# Altium PCB pcb-4layer-1oz-1.6mm.PcbDoc (part 4 of 4)
Units mm, origin at the board's own origin, x right, y up, seen from the top; angles counter-clockwise.
Board outline 208.5 x 86.9 mm, 4 copper layers (Top Layer, MID1, MID2, Bottom Layer), stack 1.579 mm thick; 542 components, 426 nets, 1550 pads, 470 vias.
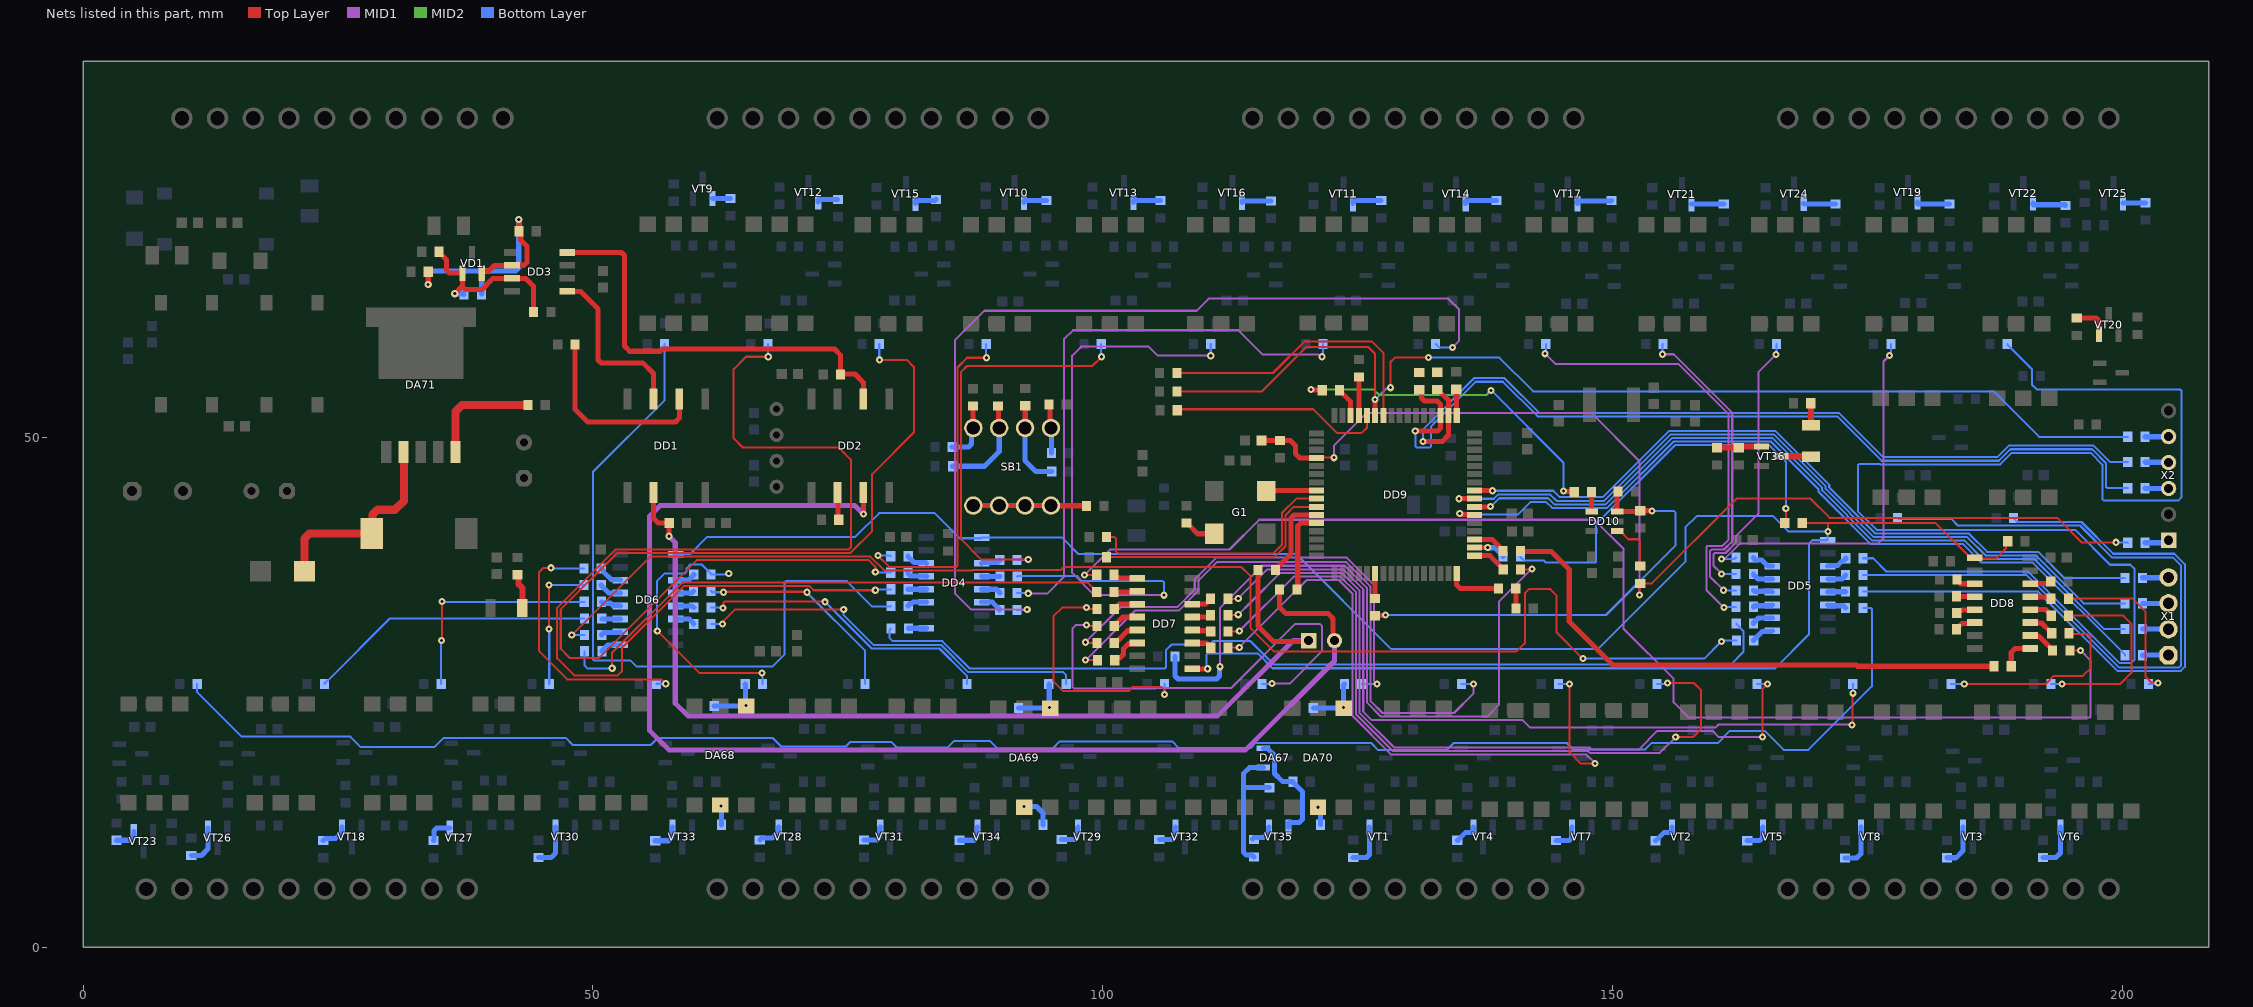
[diagram p6: the nets of this part, all layers, seen from the top]

## Via types
v1: diameter 0.7, hole 0.3, Top Layer to Bottom Layer, tented both sides, 437 vias
v2: diameter 0.65, hole 0.3, Top Layer to Bottom Layer, tented both sides, 21 vias
v3: diameter 0.65, hole 0.3, Top Layer to Bottom Layer, 12 vias

## Nets (pads, with @x,y where several pads share a name; then routed paths per layer and width w, separated by ;. In a path a pad name is that pad's centre, name@x,y a point inside that pad or via, vN(x,y) a via of type N, cw(c..) or ccw(c..) an arc to the next point about the centre after c; other vN are vias at no path point) (continued)
NetDA67_1: DA67.1 R195.1 R198.1 | length 13.7
  Bottom Layer w0.5: 113.8,15.637 R195.1@116.362,15.637 ; R198.1@114.833,8.838 114.633,9.038 114.093,9.038 113.8,9.331 113.8,15.2 113.8,15.4 113.8,17 114.4,17.6 115.754,17.6 DA67.1@115.769,17.614
NetDA67_2: DA67.2 R204.2 VT35.2 | length 11.3
  Bottom Layer w0.5: DA67.2@115.769,19.494 115.798,19.465 116.203,19.465 116.854,18.813 116.854,17.03 117.659,16.225 R204.2@118.664,16.225 118.664,16.175 119.6,15.239 119.6,12.529 119.307,12.237 118.268,12.237 118.218,12.187 VT35.2@118.218,11.753
NetDA68_2: DA68.2 R199.1 | length 1.9
  Bottom Layer w0.5: v1(62.561,13.854) 62.604,13.811 R199.1@62.604,12.003
NetDA68_4: DA68.4 R205.1 R208.1 | length 5.2
  Bottom Layer w0.5: R205.1@61.906,23.653 64.953,23.653 v1(65,23.7) 64.972,23.728 64.972,25.778 R208.1@64.944,25.806
NetDA69_2: DA69.2 R200.1 | length 3.3
  Bottom Layer w0.5: v1(92.3,13.8) 93.5,13.8 94.14,13.16 R200.1@94.14,12.003
NetDA69_4: DA69.4 R207.1 R209.1 | length 5.4
  Bottom Layer w0.5: R207.1@91.732,23.438 94.738,23.438 v1(94.8,23.5) 94.762,23.538 94.762,25.764 R209.1@94.72,25.806
NetDA70_2: DA70.2 R201.1 | length 1.8
  Bottom Layer w0.5: v1(121.12,13.715) 121.12,13.661 121.345,13.435 R201.1@121.345,12.017
NetDA70_4: DA70.4 R206.1 R210.1 | length 5.3
  Bottom Layer w0.5: R206.1@120.661,23.438 123.538,23.438 v1(123.6,23.5) 123.638,23.538 123.638,25.732 R210.1@123.713,25.806
NetDA71_2: DA71.2 L7.2 VD4.1 | length 20.3
  Top Layer w0.8: VD4.1@21.726,36.87 21.726,40.09 22.195,40.559 L7.2@28.298,40.559 28.4,40.661 28.4,42.431 28.869,42.9 30.6,42.9 31.461,43.761 DA71.2@31.461,48.526
NetDA71_5: DA71.5 R320.1 | length 11.3
  Top Layer w0.8: DA71.5@36.526,48.561 36.526,52.526 37.176,53.176 R320.1@43.633,53.176
NetDD1_2: DD1.2 R213.1 | length 19.1
  Top Layer w0.5: R213.1@48.256,59.099 48.256,52.744 49.5,51.5 58.1,51.5 58.482,51.882 DD1.2@58.482,53.748
NetDD1_3: DD1.3 DD3.1 | length 17.2
  Top Layer w0.5: DD3.1@47.489,64.316 48.784,64.316 50.5,62.6 50.5,57.593 50.793,57.3 54.9,57.3 55.942,56.258 DD1.3@55.942,53.748
NetDD2_2: DD2.2 R212.1 | length 2.7
  Top Layer w0.5: DD2.2@73.988,44.598 74.05,44.537 74.05,41.979 R212.1@74.111,41.918
NetDD2_6: DD2.6 DD3.4 R214.1 | length 42.4
  Top Layer w0.5: DD3.4@47.489,68.126 52.807,68.126 53.1,67.834 53.1,58.943 53.606,58.437 56.571,58.437 56.785,58.65 73.692,58.65 74.3,58.043 R214.1@74.3,56.145 ; R214.1@74.355,56.2 75.7,56.2 76.528,55.372 DD2.6@76.528,53.748
NetDD4_3: DD4.3 R231.1 | length 1.9
  Bottom Layer w0.5: DD4.3@88.133,37.637 88.197,37.701 89.705,37.701 89.907,37.904 R231.1@89.907,37.954
NetDD4_4: DD4.4 R224.1 | length 1.8
  Bottom Layer w0.5: DD4.4@88.133,36.367 88.147,36.353 89.901,36.353 R224.1@89.915,36.339
NetDD4_5: DD4.5 R232.1 | length 2
  Bottom Layer w0.5: DD4.5@88.133,35.097 89.575,35.097 89.905,34.767 R232.1@89.905,34.717
NetDD4_6: DD4.6 R225.1 | length 2.1
  Bottom Layer w0.5: DD4.6@88.133,33.827 89.179,33.827 89.901,33.105 R225.1@89.901,33.055
NetDD4_9: DD4.9 R226.1 | length 1.8
  Bottom Layer w0.5: R226.1@80.944,31.256 80.959,31.272 82.693,31.272 DD4.9@82.709,31.287
NetDD4_11: DD4.11 R229.1 | length 2
  Bottom Layer w0.5: R229.1@80.928,33.446 80.928,33.496 81.128,33.696 81.275,33.696 81.42,33.842 DD4.11@82.694,33.842
NetDD4_12: DD4.12 R223.1 | length 1.8
  Bottom Layer w0.5: R223.1@80.933,35.09 80.937,35.094 82.705,35.094 DD4.12@82.709,35.097
NetDD4_13: DD4.13 R230.1 | length 2
  Bottom Layer w0.5: R230.1@80.914,36.717 80.914,36.667 81.173,36.408 82.668,36.408 DD4.13@82.709,36.367
NetDD4_14: DD4.14 R227.1 | length 2.1
  Bottom Layer w0.5: R227.1@80.923,38.339 80.923,38.289 81.5,37.712 82.634,37.712 DD4.14@82.709,37.637
NetDD5_3: DD5.3 R242.1 | length 2.1
  Bottom Layer w0.5: DD5.3@171.106,37.364 171.181,37.439 172.107,37.439 172.555,37.886 172.675,37.886 172.875,38.086 R242.1@172.875,38.136
NetDD5_4: DD5.4 R237.1 | length 1.9
  Bottom Layer w0.5: DD5.4@171.125,36.113 172.526,36.113 172.865,36.452 R237.1@172.865,36.502
NetDD5_5: DD5.5 R243.1 | length 1.8
  Bottom Layer w0.5: DD5.5@171.106,34.824 171.133,34.851 172.844,34.851 R243.1@172.87,34.877
NetDD5_6: DD5.6 R238.1 | length 1.9
  Bottom Layer w0.5: DD5.6@171.106,33.554 171.181,33.479 172.67,33.479 172.87,33.279 R238.1@172.87,33.267
NetDD5_9: DD5.9 R239.1 | length 2.3
  Bottom Layer w0.5: R239.1@163.849,30.062 163.849,30.112 164.676,30.939 165.607,30.939 DD5.9@165.682,31.014
NetDD5_10: DD5.10 R234.1 | length 2.1
  Bottom Layer w0.5: R234.1@163.843,31.747 163.843,31.797 164.331,32.284 DD5.10@165.682,32.284
NetDD5_11: DD5.11 R244.1 | length 1.9
  Bottom Layer w0.5: R244.1@163.822,33.372 163.929,33.479 165.607,33.479 DD5.11@165.682,33.554
NetDD5_12: DD5.12 R235.1 | length 1.9
  Bottom Layer w0.5: R235.1@163.826,34.986 163.914,34.899 165.607,34.899 DD5.12@165.682,34.824
NetDD5_13: DD5.13 R241.1 | length 2.1
  Bottom Layer w0.5: R241.1@163.83,36.597 163.83,36.547 164.283,36.094 DD5.13@165.682,36.094
NetDD5_14: DD5.14 R236.1 | length 2.2
  Bottom Layer w0.5: R236.1@163.814,38.213 163.814,38.163 164.014,37.963 164.645,37.963 165.245,37.364 DD5.14@165.682,37.364
NetDD6_3: DD6.3 R254.1 | length 2
  Bottom Layer w0.5: DD6.3@58.114,35.993 59.399,35.993 59.897,36.491 R254.1@59.897,36.541
NetDD6_4: DD6.4 R249.1 | length 1.9
  Bottom Layer w0.5: DD6.4@58.114,34.723 59.683,34.723 R249.1@59.882,34.923
NetDD6_5: DD6.5 R255.1 | length 1.8
  Bottom Layer w0.5: DD6.5@58.114,33.453 59.741,33.453 R255.1@59.896,33.299
NetDD6_6: DD6.6 R250.1 | length 2
  Bottom Layer w0.5: DD6.6@58.114,32.183 59.452,32.183 59.887,31.749 R250.1@59.887,31.699
NetDD6_9: DD6.9 R251.1 | length 2.1
  Bottom Layer w0.5: R251.1@50.884,29.008 50.884,29.058 51.469,29.643 DD6.9@52.69,29.643
NetDD6_10: DD6.10 R246.1 | length 2
  Bottom Layer w0.5: R246.1@50.872,30.62 50.872,30.664 51.072,30.864 52.641,30.864 DD6.10@52.69,30.913
NetDD6_11: DD6.11 R252.1 | length 1.8
  Bottom Layer w0.2: R252.1@50.868,32.235 R252.1@50.92,32.183
  Bottom Layer w0.5: R252.1@50.92,32.183 DD6.11@52.69,32.183
NetDD6_12: DD6.12 R247.1 | length 2
  Bottom Layer w0.5: R247.1@50.861,33.863 50.998,33.726 51.734,33.726 51.932,33.528 52.615,33.528 DD6.12@52.69,33.453
NetDD6_13: DD6.13 R253.1 | length 2.2
  Bottom Layer w0.5: R253.1@50.822,35.513 50.822,35.463 51.562,34.723 DD6.13@52.69,34.723
NetDD6_14: DD6.14 R248.1 | length 2.4
  Bottom Layer w0.5: R248.1@50.826,37.135 51.026,36.935 51.026,36.825 51.783,36.068 52.615,36.068 DD6.14@52.69,35.993
NetDD7_3: DD7.3 R264.1 | length 2
  Top Layer w0.5: DD7.3@108.805,29.83 110.182,29.83 110.598,29.414 R264.1@110.598,29.364
NetDD7_4: DD7.4 R259.1 | length 1.8
  Top Layer w0.5: DD7.4@108.805,31.1 108.874,31.031 110.528,31.031 R259.1@110.597,30.961
NetDD7_5: DD7.5 R265.1 | length 1.9
  Top Layer w0.5: DD7.5@108.805,32.37 110.403,32.37 R265.1@110.586,32.552
NetDD7_6: DD7.6 R260.1 | length 2
  Top Layer w0.5: DD7.6@108.805,33.64 110.11,33.64 110.58,34.11 R260.1@110.58,34.16
NetDD7_9: DD7.9 R261.1 | length 2.4
  Top Layer w0.5: R261.1@101.116,36.51 101.116,36.46 101.316,36.26 101.53,36.26 101.608,36.182 103.379,36.182 DD7.9@103.381,36.18
NetDD7_10: DD7.10 R256.1 | length 2.3
  Top Layer w0.5: R256.1@101.116,34.834 102.868,34.834 102.944,34.91 DD7.10@103.381,34.91
NetDD7_11: DD7.11 R262.1 | length 2.5
  Top Layer w0.5: R262.1@101.136,33.158 101.136,33.208 101.336,33.408 101.398,33.408 101.629,33.64 DD7.11@103.381,33.64
NetDD7_12: DD7.12 R257.1 | length 2.6
  Top Layer w0.5: R257.1@101.136,31.503 101.136,31.553 101.933,32.349 DD7.12@103.361,32.349
NetDD7_13: DD7.13 R263.1 | length 2.8
  Top Layer w0.5: R263.1@101.138,29.827 101.138,29.877 101.338,30.077 101.492,30.077 102.44,31.025 103.306,31.025 DD7.13@103.381,31.1
NetDD7_14: DD7.14 R258.1 | length 3.3
  Top Layer w0.5: R258.1@101.188,28.125 101.188,28.175 101.388,28.375 101.714,28.375 102.038,28.699 102.038,29.265 102.528,29.755 103.306,29.755 DD7.14@103.381,29.83
NetDD8_3: DD8.3 R273.1 | length 2
  Top Layer w0.5: R273.1@183.779,36.041 183.779,35.991 184.132,35.638 DD8.3@185.548,35.638
NetDD8_4: DD8.4 R267.1 | length 1.8
  Top Layer w0.5: R267.1@183.745,34.406 183.763,34.388 185.532,34.388 DD8.4@185.55,34.37
NetDD8_5: DD8.5 R274.1 | length 2
  Top Layer w0.5: R274.1@183.759,32.778 183.759,32.828 183.959,33.028 184.233,33.028 184.252,33.047 185.497,33.047 DD8.5@185.55,33.1
NetDD8_6: DD8.6 R268.1 | length 2.1
  Top Layer w0.5: R268.1@183.74,31.165 183.74,31.215 184.28,31.755 185.475,31.755 DD8.6@185.55,31.83
NetDD8_10: DD8.10 R269.1 | length 2.9
  Top Layer w0.5: DD8.10@190.974,30.56 191.049,30.485 191.839,30.485 192.959,29.365 192.959,29.278 R269.1@193.159,29.078
NetDD8_11: DD8.11 R271.1 | length 2.4
  Top Layer w0.5: DD8.11@190.974,31.83 191.016,31.788 192.08,31.788 192.839,31.029 192.883,31.029 192.956,30.956 R271.1@192.956,30.912
NetDD8_12: DD8.12 R270.1 | length 2.3
  Top Layer w0.5: DD8.12@190.996,33.122 192.469,33.122 193.04,32.551 R270.1@193.04,32.501
NetDD8_13: DD8.13 R272.1 | length 2.1
  Top Layer w0.5: DD8.13@190.987,34.356 192.832,34.356 R272.1@193.018,34.17
NetDD8_14: DD8.14 R266.1 | length 2.1
  Top Layer w0.5: DD8.14@190.988,35.654 192.786,35.654 192.986,35.854 R266.1@192.986,35.871
NetDD9_1: DD9.1 R304.2 | length 2.6
  Top Layer w0.5: R304.2@134.671,54.72 134.698,54.694 134.698,52.158 DD9.1@134.725,52.132
NetDD9_10: DD9.10 R296.2 | length 28.2
  Top Layer w0.2: R296.2@107.275,56.309 116.709,56.309 119.807,59.407 126.403,59.407 127.525,58.285 DD9.10@127.525,52.132
NetDD9_12: DD9.12 R298.2 | length 21
  Top Layer w0.2: R298.2@107.319,52.66 107.409,52.75 120.645,52.75 122.995,50.4 125.369,50.4 125.925,50.955 DD9.12@125.925,52.132
NetDD9_13: DD9.13 R299.2 | length 3.8
  Top Layer w0.5: DD9.13@125.125,52.132 R299.2@125.126,55.927
NetDD9_14: DD9.14 R302.1 | length 2.9
  Top Layer w0.5: R302.1@123.242,54.618 123.242,54.568 124.325,53.486 DD9.14@124.325,52.132
NetDD9_27: DD9.27 R300.1 | length 8.3
  Top Layer w0.5: R300.1@116.938,36.994 116.938,37.044 118.482,38.588 118.482,42.089 118.775,42.382 DD9.27@120.974,42.382
NetDD9_28: DD9.28 R301.1 | length 8.1
  Top Layer w0.5: R301.1@119.115,35.158 119.132,35.175 119.132,41.289 119.425,41.582 DD9.28@120.975,41.582
NetDD9_48: DD9.48 R310.2 | length 5.3
  Top Layer w0.5: DD9.48@134.725,36.632 134.718,36.625 134.718,35.515 135.048,35.185 R310.2@138.811,35.185
NetDD9_49: DD9.49 R308.2 | length 3.4
  Top Layer w0.5: DD9.49@136.487,38.393 137.967,38.393 139.086,37.274 139.086,37.222 R308.2@139.286,37.022
NetDD9_50: DD9.50 R311.2 | length 3.2
  Top Layer w0.5: DD9.50@136.475,39.182 v1@137.767,39.182
  Bottom Layer w0.5: v1@137.785,39.163 138.461,39.163 139.278,38.346 R311.2@139.278,38.296
  other v1: 137.768,39.181
NetDD9_51: DD9.51 R309.2 | length 3.3
  Top Layer w0.5: DD9.51@136.475,39.982 138.207,39.982 139.278,38.91 R309.2@139.278,38.86
NetDD10_3: DD10.3 R312.1 R315.1 R316.2 | length 43.4
  Top Layer w0.2: R315.1@150.458,44.595 R315.1@150.552,44.689
  Top Layer w0.5: R312.1@126.704,32.495 126.742,32.533 127.686,32.533 v1(127.724,32.571) ; DD10.3@150.458,42.709 152.627,42.708 R316.2@152.718,42.8 153.85,42.8 v1(153.864,42.785) ; DD10.3@150.458,42.709 R315.1@150.458,44.595
  Bottom Layer w0.2: v1(127.724,32.571) 149.367,32.571 156.2,39.404 156.2,42.583 155.998,42.785 v1(153.864,42.785)
NetDD10_4: DD10.4 R313.1 | length 1.9
  Top Layer w0.2: R313.1@147.951,44.632 R313.1@147.958,44.625
  Top Layer w0.5: DD10.4@147.958,42.709 R313.1@147.958,44.625
NetG1_1: G1.1 R275.1 | length 3.2
  Top Layer w0.5: R275.1@108.232,41.579 108.282,41.579 108.482,41.379 108.482,41.363 109.309,40.535 G1.1@110.959,40.535
NetLED1_1: LED1.1 VT36.3 | length 3
  Top Layer w0.6: VT36.3@166.52,48.141 169.403,48.141 LED1.1@169.458,48.086
NetLED1_2: LED1.2 R319.1 | length 2.2
  Top Layer w0.6: R319.1@169.455,53.337 169.456,53.336 LED1.2@169.458,51.186 LED1.2@169.458,51.186
NetLED2_2: LED2.2 R321.1 | length 3.5
  Top Layer w0.6: R321.1@42.619,36.526 42.708,36.437 42.708,35.592 43.1,35.2 43.1,33.299 LED2.2@43.066,33.265
NetR3_2: R3.2 VT1.1 | length 4.4
  Bottom Layer w0.5: R3.2@124.568,8.798 125.874,8.798 126.167,9.09 VT1.1@126.167,11.753
NetR4_2: R4.2 VT2.1 | length 2.4
  Bottom Layer w0.5: R4.2@154.207,10.438 154.257,10.438 155.073,11.253 155.77,11.253 155.82,11.303 VT2.1@155.82,11.753
NetR8_2: R8.2 VT3.1 | length 4.2
  Bottom Layer w0.5: R8.2@182.8,8.767 183.707,8.767 184.389,9.449 VT3.1@184.389,11.769
NetR15_2: R15.2 R265.2 | length 75.7
  Top Layer w0.2: R265.2@112.286,32.552 113.252,32.552 v1(113.3,32.6) ; v1(164.7,20.6) 164.7,25.3 v1(165.2,25.8)
  MID1 w0.2: v1(113.3,32.6) 114.55,33.85 117.4,36.7 123.454,36.7 125.207,34.947 125.207,22.955 128.577,19.585 147.744,19.585 147.929,19.4 152.61,19.4 154.41,21.2 159.833,21.2 160.433,20.6 v1(164.7,20.6)
  Bottom Layer w0.2: R15.2@164.189,25.806 165.194,25.806 v1(165.2,25.8)
NetR16_2: R16.2 R258.2 | length 59.5
  Top Layer w0.2: v1(98.3,28.152) 99.461,28.152 R258.2@99.488,28.125
  MID1 w0.2: v1(98.3,28.152) 98.326,28.152 103.174,33 107.45,33 109.38,34.93 109.38,35.937 111.194,37.75 123.888,37.75 126.257,35.382 126.257,24.143 127.443,22.957 134.457,22.957 136.382,24.882 v1(136.382,25.808)
  Bottom Layer w0.2: R16.2@135.204,25.806 v1(136.382,25.808) v1(136.382,25.808)
NetR20_2: R20.2 R270.2 | length 19.6
  Top Layer w0.2: v1(194.099,25.8) 199.8,25.8 200.9,26.9 200.9,31.7 200.099,32.501 R270.2@194.74,32.501
  Bottom Layer w0.2: R20.2@193.026,25.806 193.032,25.8 v1(194.099,25.8)
NetR21_2: R21.2 VT4.1 | length 2.4
  Bottom Layer w0.5: R21.2@134.782,10.48 134.832,10.48 135.606,11.253 136.31,11.253 136.36,11.303 VT4.1@136.36,11.753
NetR22_2: R22.2 VT5.1 | length 2.7
  Bottom Layer w0.5: R22.2@163.213,10.437 164.437,10.437 164.722,10.722 164.722,11.703 VT5.1@164.772,11.753
NetR30_2: R30.2 VT6.1 | length 4.4
  Bottom Layer w0.5: R30.2@192.218,8.782 193.482,8.782 193.933,9.233 VT6.1@193.933,11.753
NetR31_2: R31.2 R264.2 | length 64
  Top Layer w0.2: R264.2@112.298,29.364 113.364,29.364 v1(113.4,29.4) ; v1(145.8,25.8) 145.8,19.1 146.9,18 v1(148.3,18)
  MID1 w0.2: v1(113.4,29.4) 117.232,33.232 119.988,35.988 123.176,35.988 124.5,34.664 124.5,22.672 128.287,18.885 147.454,18.885 148.3,18.039 v1(148.3,18)
  Bottom Layer w0.2: R31.2@144.711,25.806 145.794,25.806 v1(145.8,25.8)
NetR32_2: R32.2 R260.2 | length 80.1
  Top Layer w0.2: R260.2@112.28,34.16 113.26,34.16 v1(113.3,34.2) ; v1(173.5,21.8) 173.553,21.853 173.553,24.847 v1(173.606,24.9)
  MID1 w0.2: v1(113.3,34.2) 116.15,37.05 123.599,37.05 125.557,35.092 125.557,23.1 126.4,22.257 141.193,22.257 141.9,21.55 160.12,21.55 160.4,21.83 173.47,21.83 v1(173.5,21.8)
  Bottom Layer w0.2: R32.2@173.558,25.806 173.606,25.759 v1(173.606,24.9)
NetR37_2: R37.2 VT7.1 | length 2.7
  Bottom Layer w0.5: R37.2@144.469,10.451 145.754,10.451 145.996,10.694 145.996,11.703 VT7.1@146.046,11.753
NetR38_2: R38.2 VT8.1 | length 4.3
  Bottom Layer w0.5: R38.2@172.806,8.745 173.945,8.745 174.358,9.158 VT8.1@174.358,11.753
NetR40_2: R40.2 R272.2 | length 16.9
  Top Layer w0.2: R272.2@194.718,34.17 201.03,34.17 202.3,32.9 202.3,26.5 202.85,25.95 203.45,25.95 v1(203.5,25.9)
  Bottom Layer w0.2: R40.2@202.559,25.806 203.406,25.806 v1(203.5,25.9)
NetR47_2: R47.2 R271.2 | length 19.7
  Top Layer w0.2: v1(184.5,25.8) 192.5,25.8 193.3,26.6 196.134,26.6 196.9,27.366 196.9,30.4 196.6,30.7 194.862,30.7 R271.2@194.783,30.779
  Bottom Layer w0.2: R47.2@183.199,25.806 184.494,25.806 v1(184.5,25.8)
NetR48_2: R48.2 R259.2 | length 72.2
  Top Layer w0.2: R259.2@112.297,30.961 113.361,30.961 v1(113.4,31) ; v1(155.4,25.9) 157.983,25.9 158.7,25.183 158.7,21.4 157.9,20.6 v1(156.2,20.6)
  MID1 w0.2: v1(113.4,31) 118.738,36.338 123.321,36.338 124.857,34.802 124.857,22.81 128.432,19.235 147.599,19.235 147.784,19.05 154.65,19.05 v1(156.2,20.6)
  Bottom Layer w0.2: R48.2@154.368,25.806 155.306,25.806 v1(155.4,25.9)
NetR52_2: R52.2 VT9.1 | length 1.8
  Bottom Layer w0.5: VT9.1@61.723,73.417 61.726,73.421 R52.2@63.506,73.421
NetR53_2: R53.2 VT10.1 | length 2.3
  Bottom Layer w0.5: VT10.1@92.298,73.052 92.298,73.171 92.348,73.221 R53.2@94.484,73.221
NetR54_2: R54.2 VT11.1 | length 3
  Bottom Layer w0.5: VT11.1@124.559,72.92 124.559,73.171 124.609,73.221 R54.2@127.313,73.221
NetR64_2: R64.2 R229.2 | length 72.1
  Bottom Layer w0.2: R64.2@57.04,59.155 57.04,57.859 57.047,57.852 57.047,53.647 50,46.6 50,28.217 50.117,28.1 53.7,28.1 54.3,27.5 67.6,27.5 68.805,28.705 68.805,35.783 68.922,35.9 74.9,35.9 77.4,33.4 79.181,33.4 R229.2@79.228,33.446
NetR65_2: R65.2 R227.2 | length 33.6
  Top Layer w0.2: v1(77.964,38.402) 77.964,38.399 79.062,37.3 85.645,37.3 85.762,37.417 85.762,56.843 86.719,57.8 v1(88.6,57.8)
  Bottom Layer w0.2: v1(77.964,38.402) 79.16,38.402 R227.2@79.223,38.339 ; R65.2@88.579,59.155 88.579,57.821 v1(88.6,57.8)
NetR66_2: R66.2 R232.2 | length 56.6
  MID1 w0.2: v1(92.7,34.7) 94.6,34.7 96.2,36.3 96.2,59.6 97.1,60.5 113.3,60.5 115.7,58.1 121.165,58.1 121.365,57.9 v1(121.5,57.9)
  Bottom Layer w0.2: R232.2@91.605,34.717 92.683,34.717 v1(92.7,34.7) ; v1(121.5,57.9) 121.616,58.016 R66.2@121.616,59.155
NetR70_2: R70.2 VT12.1 | length 2.1
  Bottom Layer w0.5: VT12.1@72.1,73.085 72.1,73.274 72.15,73.324 R70.2@73.983,73.324
NetR71_2: R71.2 VT13.1 | length 2.8
  Bottom Layer w0.5: VT13.1@103.026,73.055 103.026,73.171 103.076,73.221 R71.2@105.669,73.221
NetR72_2: R72.2 VT14.1 | length 3.3
  Bottom Layer w0.5: VT14.1@135.613,72.92 135.613,73.171 135.663,73.221 R72.2@138.626,73.221
NetR82_2: R82.2 R223.2 | length 107.7
  Top Layer w0.2: v1(67.2,57.9) 65.021,57.9 63.8,56.679 63.8,49.9 64.698,49.002 74.098,49.002 75.3,47.8 75.3,39.203 75.098,39.001 52.236,39.001 46.5,33.265 46.5,28.311 48.16,26.651 52.451,26.651 52.855,27.055 52.855,29.357 58.898,35.401 71.247,35.401 71.649,35 v1(77.7,35)
  Bottom Layer w0.2: R82.2@67.181,59.155 67.181,57.919 v1(67.2,57.9) ; v1(77.7,35) 77.79,35.09 R223.2@79.233,35.09
NetR83_2: R83.2 R231.2 | length 40.6
  Top Layer w0.2: v1(92.7,38) 88.1,38 86.112,39.988 86.112,56.412 86.693,56.993 98.993,56.993 v1(99.9,57.9)
  Bottom Layer w0.2: R231.2@91.607,37.954 92.654,37.954 v1(92.7,38) ; R83.2@99.855,59.155 99.855,57.945 v1(99.9,57.9)
NetR84_2: R84.2 R225.2 | length 91
  MID1 w0.2: v1(92.6,33.1) 87.1,33.1 85.5,34.7 85.5,59.51 88.403,62.413 109.213,62.413 110.4,63.6 133.9,63.6 134.969,62.531 134.969,59.469 v1(134.3,58.8)
  Bottom Layer w0.2: R225.2@91.601,33.055 92.555,33.055 v1(92.6,33.1) ; R84.2@132.658,59.155 132.658,59.15 133.008,58.8 v1(134.3,58.8)
NetR88_2: R88.2 VT15.1 | length 2.3
  Bottom Layer w0.5: VT15.1@81.658,72.959 81.658,73.156 81.708,73.206 83.534,73.206 R88.2@83.658,73.331
NetR89_2: R89.2 VT16.1 | length 3
  Bottom Layer w0.5: VT16.1@113.67,73.052 113.67,73.141 113.72,73.191 R89.2@116.52,73.191
NetR90_2: R90.2 VT17.1 | length 3.6
  Bottom Layer w0.5: VT17.1@146.566,72.92 146.566,73.135 146.616,73.185 149.875,73.185 R90.2@149.91,73.221
NetR100_2: R100.2 R224.2 | length 62.6
  MID1 w0.2: v1(106,34.513) 99.187,34.513 97,36.7 97,58 97.9,58.9 104.5,58.9 105.4,58 v1(110.6,58)
  Bottom Layer w0.2: R224.2@91.615,36.339 91.651,36.376 97.512,36.376 97.986,35.901 105.883,35.901 106,35.784 v1(106,34.513) ; v1@110.6,58 R100.2@110.6,59.155
NetR101_2: R101.2 R244.2 | length 44.1
  MID1 w0.2: v1(143.4,58.2) 144.4,57.2 156.456,57.2 161.398,52.258 161.398,39.952 160.795,39.349 159.323,39.349 159.205,39.232 159.205,35.022 v1(160.923,33.305)
  Bottom Layer w0.2: v1(143.4,58.2) 143.465,58.265 R101.2@143.465,59.155 ; v1(160.923,33.305) 160.99,33.372 R244.2@162.122,33.372
NetR102_2: R102.2 R230.2 | length 98.2
  Top Layer w0.2: v1(77.7,36.8) 77.7,37.322 77.071,37.951 60.207,37.951 50.591,28.334 47.758,28.334 46.85,29.243 46.85,33.12 52.381,38.651 75.243,38.651 77.396,40.803 77.396,46.396 81.5,50.5 81.5,56.885 80.785,57.6 v1(78.1,57.6)
  Bottom Layer w0.2: v1(77.7,36.8) 77.783,36.717 R230.2@79.214,36.717 ; R102.2@78.089,59.155 78.089,57.611 v1(78.1,57.6)